# Allegro board 038RT-9068CJK8E-A100_0921.brd (continued)
## Library data of the parts (continued)
R56 R139-R142 R149 R150 R155 R156 R438-R441 R470 R473-R475 UNK1R56 UNK1R139-UNK1R142 UNK1R149 UNK1R150 UNK1R155 UNK1R156 UNK1R438-UNK1R441 UNK1R470 UNK1R473-UNK1R475 UNK2R56 UNK2R139-UNK2R142 UNK2R149 UNK2R150 UNK2R155 UNK2R156 UNK2R438-UNK2R441 UNK2R470 UNK2R473-UNK2R475 UNK3R56 UNK3R139-UNK3R142 UNK3R149 UNK3R150 UNK3R155 UNK3R156 UNK3R438-UNK3R441 UNK3R470 UNK3R473-UNK3R475 = 1K-1-S4: User Part Number: PNXXXXXXXXXX; Tolerance: TOL
R69 R110 UNK1R69 UNK1R110 UNK2R69 UNK2R110 UNK3R69 UNK3R110 = 24K-1-S4: User Part Number: PNXXXXXXXXXX; Tolerance: TOL
R105 R137 R347 R348 R434 R548 R553 R555-R562 R567 R578-R584 RBB8 RG21 RG22 RH112 RH118 RH119 RH123 RH129 RH130 RH132 RH151 RH161 RH172 RH181 RH191 RH212 RH218 RH219 RH223 RH229 RH230 RH232 RH251 RH261 RH272 RH281 RH291 RH1101 RH1102 RH1241 RH1262 RH1272 RH1282 RH2101 RH2102 RH2241 RH2262 RH2272 RH2282 RS5 RS11 UNK1R105 UNK1R137 UNK1R347 UNK1R348 UNK1R434 UNK1R548 UNK1R553 UNK1R555-UNK1R562 UNK1R567 UNK1R578-UNK1R584 UNK1RG21 UNK1RG22 UNK1RH112 UNK1RH118 UNK1RH119 UNK1RH123 UNK1RH129 UNK1RH130 UNK1RH132 UNK1RH151 UNK1RH161 UNK1RH172 UNK1RH181 UNK1RH191 UNK1RH212 UNK1RH218 UNK1RH219 UNK1RH223 UNK1RH229 UNK1RH230 UNK1RH232 UNK1RH251 UNK1RH261 UNK1RH272 UNK1RH281 UNK1RH291 UNK1RH1101 UNK1RH1102 UNK1RH1241 UNK1RH1262 UNK1RH1272 UNK1RH1282 UNK1RH2101 UNK1RH2102 UNK1RH2241 UNK1RH2262 UNK1RH2272 UNK1RH2282 UNK1RS5 UNK1RS11 UNK2R105 UNK2R137 UNK2R347 UNK2R348 UNK2R434 UNK2R548 UNK2R553 UNK2R555-UNK2R562 UNK2R567 UNK2R578-UNK2R584 UNK2RG21 UNK2RG22 UNK2RH112 UNK2RH118 UNK2RH119 UNK2RH123 UNK2RH129 UNK2RH130 UNK2RH132 UNK2RH151 UNK2RH161 UNK2RH172 UNK2RH181 UNK2RH191 UNK2RH212 UNK2RH218 UNK2RH219 UNK2RH223 UNK2RH229 UNK2RH230 UNK2RH232 UNK2RH251 UNK2RH261 UNK2RH272 UNK2RH281 UNK2RH291 UNK2RH1101 UNK2RH1102 UNK2RH1241 UNK2RH1262 UNK2RH1272 UNK2RH1282 UNK2RH2101 UNK2RH2102 UNK2RH2241 UNK2RH2262 UNK2RH2272 UNK2RH2282 UNK2RS5 UNK2RS11 UNK3R105 UNK3R137 UNK3R347 UNK3R348 UNK3R434 UNK3R548 UNK3R553 UNK3R555-UNK3R562 UNK3R567 UNK3R578-UNK3R584 UNK3RG21 UNK3RG22 UNK3RH112 UNK3RH118 UNK3RH119 UNK3RH123 UNK3RH129 UNK3RH130 UNK3RH132 UNK3RH151 UNK3RH161 UNK3RH172 UNK3RH181 UNK3RH191 UNK3RH212 UNK3RH218 UNK3RH219 UNK3RH223 UNK3RH229 UNK3RH230 UNK3RH232 UNK3RH251 UNK3RH261 UNK3RH272 UNK3RH281 UNK3RH291 UNK3RH1101 UNK3RH1102 UNK3RH1241 UNK3RH1262 UNK3RH1272 UNK3RH1282 UNK3RH2101 UNK3RH2102 UNK3RH2241 UNK3RH2262 UNK3RH2272 UNK3RH2282 UNK3RS5 UNK3RS11 = 0-5-S4: User Part Number: PNXXXXXXXXXX; Tolerance: TOL
R126 R130 RS1 UNK1R126 UNK1R130 UNK2R126 UNK2R130 UNK3R126 UNK3R130 = 100-1-S4: User Part Number: PNXXXXXXXXXX; Tolerance: TOL
R133-R136 UNK1R133-UNK1R136 UNK2R133-UNK2R136 UNK3R133-UNK3R136 = 75-1-S4: User Part Number: PNXXXXXXXXXX; Tolerance: TOL
R138 RL15 RL38 UNK1R138 UNK1RL15 UNK1RL38 UNK2R138 UNK2RL15 UNK2RL38 UNK3R138 UNK3RL15 UNK3RL38 = 3.9K-1-S4: User Part Number: PNXXXXXXXXXX; Tolerance: TOL
R275 R456 R500 R519 R538 UNK1R275 UNK1R456 UNK1R500 UNK1R519 UNK1R538 UNK2R275 UNK2R456 UNK2R500 UNK2R519 UNK2R538 UNK3R275 UNK3R456 UNK3R500 UNK3R519 UNK3R538 = 100K-1-S6: User Part Number: PNXXXXXXXXXX; Tolerance: TOL
R276 UNK1R276 UNK2R276 UNK3R276 = 1M-1-S6: User Part Number: PNXXXXXXXXXX; Tolerance: TOL
R309 UNK1R309 UNK2R309 UNK3R309 = 10K-1-S25-ST: Tolerance: TOL; User Part Number: PNXXXXXXXXXX
R327 R328 R350 R351 UNK1R327 UNK1R328 UNK1R350 UNK1R351 UNK2R327 UNK2R328 UNK2R350 UNK2R351 UNK3R327 UNK3R328 UNK3R350 UNK3R351 = 1.5K-1-S4: User Part Number: PNXXXXXXXXXX; Tolerance: TOL
R360 UNK1R360 UNK2R360 UNK3R360 = 898-1-S6-KOA: User Part Number: PNXXXXXXXXXX; Tolerance: TOL
R361 UNK1R361 UNK2R361 UNK3R361 = 100-1-S6: User Part Number: PNXXXXXXXXXX; Tolerance: TOL
R362 RD73-RD90 RD92 RD95-RD101 RD178-RD181 RG73-RG78 RR400-RR413 RR500-RR505 RR510-RR515 RR520-RR525 RR530-RR535 RR900-RR905 RR910-RR915 RR920-RR925 RR930-RR935 UNK1R362 UNK1RD73-UNK1RD90 UNK1RD92 UNK1RD95-UNK1RD101 UNK1RD178-UNK1RD181 UNK1RG73-UNK1RG78 UNK1RR400-UNK1RR413 UNK1RR500-UNK1RR505 UNK1RR510-UNK1RR515 UNK1RR520-UNK1RR525 UNK1RR530-UNK1RR535 UNK1RR900-UNK1RR905 UNK1RR910-UNK1RR915 UNK1RR920-UNK1RR925 UNK1RR930-UNK1RR935 UNK2R362 UNK2RD73-UNK2RD90 UNK2RD92 UNK2RD95-UNK2RD101 UNK2RD178-UNK2RD181 UNK2RG73-UNK2RG78 UNK2RR400-UNK2RR413 UNK2RR500-UNK2RR505 UNK2RR510-UNK2RR515 UNK2RR520-UNK2RR525 UNK2RR530-UNK2RR535 UNK2RR900-UNK2RR905 UNK2RR910-UNK2RR915 UNK2RR920-UNK2RR925 UNK2RR930-UNK2RR935 UNK3R362 UNK3RD73-UNK3RD90 UNK3RD92 UNK3RD95-UNK3RD101 UNK3RD178-UNK3RD181 UNK3RG73-UNK3RG78 UNK3RR400-UNK3RR413 UNK3RR500-UNK3RR505 UNK3RR510-UNK3RR515 UNK3RR520-UNK3RR525 UNK3RR530-UNK3RR535 UNK3RR900-UNK3RR905 UNK3RR910-UNK3RR915 UNK3RR920-UNK3RR925 UNK3RR930-UNK3RR935 = 0-5-S6: User Part Number: PNXXXXXXXXXX; Tolerance: TOL
R454 R455 R498 R499 R517 R518 R536 R537 UNK1R454 UNK1R455 UNK1R498 UNK1R499 UNK1R517 UNK1R518 UNK1R536 UNK1R537 UNK2R454 UNK2R455 UNK2R498 UNK2R499 UNK2R517 UNK2R518 UNK2R536 UNK2R537 UNK3R454 UNK3R455 UNK3R498 UNK3R499 UNK3R517 UNK3R518 UNK3R536 UNK3R537 = 1K-1-S8: User Part Number: PNXXXXXXXXXX; Tolerance: TOL
R540-R543 UNK1R540-UNK1R543 UNK2R540-UNK2R543 UNK3R540-UNK3R543 = 120-1-S4: User Part Number: PNXXXXXXXXXX; Tolerance: TOL
R586 RHPC1 UNK1R586 UNK1RHPC1 UNK2R586 UNK2RHPC1 UNK3R586 UNK3RHPC1 = 0-5-S2512-BO: Tolerance: TOL; User Part Number: PNXXXXXXXXXX
R587-R592 = 600-1-S8-VI: User Part Number: PNXXXXXXXXXX; Tolerance: TOL
RB7 UNK1RB7 UNK2RB7 UNK3RB7 = 54.9K-1-S4: User Part Number: PNXXXXXXXXXX; Tolerance: TOL
RC1 = 576-1-S4-VI: User Part Number: PNXXXXXXXXXX; Tolerance: TOL
RFB1 = 487-1-S4: User Part Number: PNXXXXXXXXXX; Tolerance: TOL
RFB2 = 22K-1-SA-YA: User Part Number: PNXXXXXXXXXX; Tolerance: TOL
RH13 RH23 RH171 RH271 UNK1RH13 UNK1RH23 UNK1RH171 UNK1RH271 UNK2RH13 UNK2RH23 UNK2RH171 UNK2RH271 UNK3RH13 UNK3RH23 UNK3RH171 UNK3RH271 = 4.7K-1-S6: User Part Number: PNXXXXXXXXXX; Tolerance: TOL
RH113 RH114 RH213 RH214 RH1103 RH1261 RH1271 RH1281 RH2103 RH2261 RH2271 RH2281 UNK1RH113 UNK1RH114 UNK1RH213 UNK1RH214 UNK1RH1103 UNK1RH1261 UNK1RH1271 UNK1RH1281 UNK1RH2103 UNK1RH2261 UNK1RH2271 UNK1RH2281 UNK2RH113 UNK2RH114 UNK2RH213 UNK2RH214 UNK2RH1103 UNK2RH1261 UNK2RH1271 UNK2RH1281 UNK2RH2103 UNK2RH2261 UNK2RH2271 UNK2RH2281 UNK3RH113 UNK3RH114 UNK3RH213 UNK3RH214 UNK3RH1103 UNK3RH1261 UNK3RH1271 UNK3RH1281 UNK3RH2103 UNK3RH2261 UNK3RH2271 UNK3RH2281 = 10K-1-S6: User Part Number: PNXXXXXXXXXX; Tolerance: TOL
RH121 RH122 RH221 RH222 RH1242 RH2242 RU7 RU11-RU13 RU25 RU27 RU29 RU30 UNK1RH121 UNK1RH122 UNK1RH221 UNK1RH222 UNK1RH1242 UNK1RH2242 UNK1RU11 UNK1RU12 UNK2RH121 UNK2RH122 UNK2RH221 UNK2RH222 UNK2RH1242 UNK2RH2242 UNK2RU11 UNK2RU12 UNK3RH121 UNK3RH122 UNK3RH221 UNK3RH222 UNK3RH1242 UNK3RH2242 UNK3RU11 UNK3RU12 = 4.7K-1-S4: User Part Number: PNXXXXXXXXXX; Tolerance: TOL
RH1511 RH2511 UNK1RH1511 UNK1RH2511 UNK2RH1511 UNK2RH2511 UNK3RH1511 UNK3RH2511 = 12K-1-S4: User Part Number: PNXXXXXXXXXX; Tolerance: TOL
RL10 RL19 RL37 RL41 RL43 RL45 = 10K-0.01-S4-VI: User Part Number: PNXXXXXXXXXX; Tolerance: TOL
RRB1-RRB16 = 0-1-S8-YA: User Part Number: PNXXXXXXXXXX; Tolerance: TOL
RS2 = 3.57K-1-S8-PAN: User Part Number: PNXXXXXXXXXX; Tolerance: TOL
RSNS1 = 0.03-1-SA-ST: User Part Number: PNXXXXXXXXXX; Tolerance: TOL
RT1 = 56.2K-1-S2-YA: User Part Number: PNXXXXXXXXXX; Tolerance: TOL
RTL9068ABD-V2-GR1 UNK980RT-9068CJ-K9X- = REF-CODE-CHIP
RUV1 = 1.54K-1-S4-VI: User Part Number: PNXXXXXXXXXX; Tolerance: TOL
RUV2 = 10K-1-S2-WA: User Part Number: PNXXXXXXXXXX; Tolerance: TOL
S0_DPS_AVDD09 S0_DPS_AVDD33 S0_DPS_DVDD09 S0_DPS_DVDD33 S0_DPS_GPIO_P015 S0_DPS_LDOIN S0_PH_VBAT S1_DPS_AVDD09 S1_DPS_AVDD33 S1_DPS_DVDD09 S1_DPS_DVDD33 S1_DPS_GPIO_P015 S1_DPS_LDOIN S1_PH_VBAT S2_DPS_AVDD09 S2_DPS_AVDD33 S2_DPS_DVDD09 S2_DPS_DVDD33 S2_DPS_GPIO_P015 S2_DPS_LDOIN S2_PH_VBAT S3_DPS_AVDD09 S3_DPS_AVDD33 S3_DPS_DVDD09 S3_DPS_DVDD33 S3_DPS_GPIO_P015 S3_DPS_LDOIN S3_PH_VBAT SG0_SWR1_FB SG1_SWR1_FB SG2_SWR1_FB SG3_SWR1_FB SH0_VDD5_ATX SH1_VDD5_ATX SH2_VDD5_ATX SH3_VDD5_ATX = HDR-2X1-M: Tolerance: TOL; User Part Number: PNXXXXXXXXXX
SG0_GPIOA1_2 SG1_GPIOA1_2 SG2_GPIOA1_2 SG3_GPIOA1_2 = HDR-4X1-MR-A: Tolerance: TOL; User Part Number: PNXXXXXXXXXX
SKB1 = J750SKBASE_4-8D_HT1028C_400X210: Tolerance: TOL; User Part Number: PNXXXXXXXXXX
SLOT0-DOWN SLOT0-UP SLOT1-DOWN SLOT1-UP SLOT2-DOWN SLOT2-UP SLOT3-DOWN SLOT3-UP = LPC128_27X6X2_SLOT00: User Part Number: PNXXXXXXXXXX; Tolerance: TOL
SLOT4-DOWN SLOT4-UP SLOT5-DOWN SLOT5-UP SLOT6-DOWN SLOT6-UP SLOT7-DOWN SLOT7-UP SLOT16 SLOT17 SLOT19 SLOT20 = Digital_Board: User Part Number: PNXXXXXXXXXX; Tolerance: TOL
SLOT18 = SYS_Board: User Part Number: PNXXXXXXXXXX; Tolerance: TOL
SLOT21-SLOT24 = DPS_Board: User Part Number: PNXXXXXXXXXX; Tolerance: TOL
SPIH11 SPIH21 UNK1SPIH11 UNK1SPIH21 UNK2SPIH11 UNK2SPIH21 UNK3SPIH11 UNK3SPIH21 = MX25L3233FM2I-08G-SO8: User Part Number: PNXXXXXXXXXX; Tolerance: TOL
SWR1 UNK1SWR1 UNK2SWR1 UNK3SWR1 = SY8003EDFC-3A-A-DFN2X2-8: User Part Number: PNXXXXXXXXXX; Tolerance: TOL
T2 T3 T7 T8 T15 T17 T20 T21 UNK1T2 UNK1T3 UNK1T7 UNK1T8 UNK1T15 UNK1T17 UNK1T20 UNK1T21 UNK2T2 UNK2T3 UNK2T7 UNK2T8 UNK2T15 UNK2T17 UNK2T20 UNK2T21 UNK3T2 UNK3T3 UNK3T7 UNK3T8 UNK3T15 UNK3T17 UNK3T20 UNK3T21 = ACT1210L-201-2P-TL00: User Part Number: PNXXXXXXXXXX; Tolerance: TOL
T12 T13 UNK1T12 UNK1T13 UNK2T12 UNK2T13 UNK3T12 UNK3T13 = 7490100161A: User Part Number: PNXXXXXXXXXX; Tolerance: TOL
T18 T23-T25 UNK1T18 UNK1T23-UNK1T25 UNK2T18 UNK2T23-UNK2T25 UNK3T18 UNK3T23-UNK3T25 = ACT1210G-800-2P-TL05_COLAY: User Part Number: PNXXXXXXXXXX; Tolerance: TOL
TP_VN15 TP_VP5A TP_VP5B TP_VP12 TP_VP15 TP_VP24 = TP03-D: Tolerance: TOL; User Part Number: PNXXXXXXXXXX
TPL1-TPL24 = TPL01: Tolerance: TOL; User Part Number: PNXXXXXXXXXX
U6 U17 U18 UNK1U6 UNK1U17 UNK1U18 UNK2U6 UNK2U17 UNK2U18 UNK3U6 UNK3U17 UNK3U18 = PI2LVD512AE-TSSOP64: Tolerance: TOL; User Part Number: PNXXXXXXXXXX
UB1 = 25LC256-SOIC8: User Part Number: PNXXXXXXXXXX; Tolerance: TOL
UNK1Y6 UNK1Y7 UNK1YH11 UNK1YH21 UNK2Y6 UNK2Y7 UNK2YH11 UNK2YH21 UNK3Y6 UNK3Y7 UNK3YH11 UNK3YH21 Y6 Y7 YH11 YH21 = CU/XTAL25M-S2520-AKER-20P: User Part Number: PNXXXXXXXXXX; Tolerance: TOL

## Footprints (pads in the part's own frame, mm; a bottom-side part is the same pattern mirrored in y, then rotated)
C0402
  custom 0.15x0.15 smd: 1(-0.5,0) 2(0.5,0)
C0402_UNBGA_V2
  rect 0.508x0.508 smd: 1(-0.425,0) 2(0.425,0)
C0603
  rect 0.889x0.889 smd: 1(-0.85,0) 2(0.85,0)
C0805
  rect 1.118x1.372 smd: 1(-0.95,0) 2(0.95,0)
C0805_H1P45MM
  rect 1.118x1.372 smd: 1(-0.95,0) 2(0.95,0)
C1206
  rect 1.321x1.829 smd: 1(-1.25,0) 2(1.25,0)
C1206_H49
  rect 1.321x1.829 smd: 1(-1.25,0) 2(1.25,0)
C1210
  rect 1.27x2.794 smd: 1(-1.524,0) 2(1.524,0)
CHIP_CODE
  round 0.051 smd: 1(0,0)
CKRM55TR72A106MH01
  rect 2.54x5.334 smd: 1(-3,0) 2(3,0)
CKRM55WR7YA476MH01
  rect 2.54x5.334 smd: 1(-3,0) 2(3,0)
CODE_C
  rect 2.286x2.54 smd: 1(-2.54,0) 2(2.54,0)
CONN_19635391_18P_90
  round 0.508 hole 3.2 unplated: (-15.24,0) (15.24,0)
  rect 1.524x1.524 hole 1.016: 1(10.16,2.54)
  round 1.524 hole 1.016: 2(7.62,2.54) 3(5.08,2.54) 4(2.54,2.54) 5(0,2.54) 6(-2.54,2.54) 7(-5.08,2.54) 8(-7.62,2.54) 9(-10.16,2.54) 10(10.16,0) 11(7.62,0) 12(5.08,0) 13(2.54,0) 14(0,0) 15(-2.54,0) 16(-5.08,0) 17(-7.62,0) 18(-10.16,0)
CONN_ATX12X2_4P2MM_MOLEX
  round 0.508 hole 3.2 unplated: (-27.6,-6.95) (27.6,-6.95)
  rect 3.683x3.683 hole 1.803: 1(23.1,-2.75)
  round 3.683 hole 1.803: 2(18.9,-2.75) 3(14.7,-2.75) 4(10.5,-2.75) 5(6.3,-2.75) 6(2.1,-2.75) 7(-2.1,-2.75) 8(-6.3,-2.75) 9(-10.5,-2.75) 10(-14.7,-2.75) 11(-18.9,-2.75) 12(-23.1,-2.75) 13(23.1,2.75) 14(18.9,2.75) 15(14.7,2.75) 16(10.5,2.75) 17(6.3,2.75) 18(2.1,2.75) 19(-2.1,2.75) 20(-6.3,2.75) 21(-10.5,2.75) 22(-14.7,2.75) 23(-18.9,2.75) 24(-23.1,2.75)
CONN_RJ45_1X1D90_8P_90754D
  round 0.5 hole 3.251 unplated: (-5.715,0) (5.715,0)
  rect 1.524x1.524 hole 1.041: 1(-4.445,6.35)
  round 1.524 hole 1.041: 2(-3.175,8.89) 3(-1.905,6.35) 4(-0.635,8.89) 5(0.635,6.35) 6(1.905,8.89) 7(3.175,6.35) 8(4.445,8.89)
  round 2.159 hole 1.702: FG1(-7.745,-4.57) FG2(7.745,-4.57)
CONN_SPECIFIC_8P_TE_V2
  round 0.508 hole 2.261 unplated: (0,-7) (6.6,-7)
  round 1.524 hole 1.041: 1(0.9,7) 2(-0.9,7) G1(-3.9,7) G2(3.9,7) G3(-3.9,0) G4(3.9,0) G5(-3.9,-7) G6(3.9,-7)
DEFAULT_SHORT_SMALL
  custom 0.07x0.07 smd: 1(-0.5,0) 2(0.5,0)
DFN2X2_8P_1P9X0P5MM_EP
  rect 0.3x0.5 smd: 1(-0.75,-0.95) 2(-0.25,-0.95) 3(0.25,-0.95) 4(0.75,-0.95) 5(0.75,0.95) 6(0.25,0.95) 7(-0.25,0.95) 8(-0.75,0.95)
  rect 1.7x0.9 smd: EP(0,0)
EC_6P3X7P7MM_S
  rect 1.016x3.556 smd: 1(0,2.78) 2(0,-2.78)
ECS_5P3X6MM_H5P9
  rect 1.016x3.556 smd: 1(0,2.48) 2(0,-2.48)
ECS_8P3X9MM_H11P9
  rect 1.651x4.064 smd: 1(0,3.632) 2(0,-3.632)
ECS_10P3X10P3MM
  rect 1.27x3.81 smd: 1(0,4.205) 2(0,-4.205)
ECS_19P1X19P1MM
  rect 2.032x9.042 smd: 1(0,7.7) 2(0,-7.7)
FB0805
  rect 1.118x1.372 smd: 1(-0.965,0) 2(0.965,0)
FD_040_V2
  round 1.016 smd: 1(0,0)
FILTER_4P_9075AA
  rect 1.95x0.85 smd: 1(-1.975,0.625) 2(-1.975,-0.625) 3(1.975,-0.625) 4(1.975,0.625)
FILTER_BNXO25H01L_6P
  rect 1.524x1.626 smd: 1(-5.85,2.1) 2(5.85,2.1) 3(-5.85,-2.1) 4(5.85,-2.1)
  rect 4.978x0.61 smd: 5(2,4.55)
  rect 7.01x0.61 smd: 6(1,-4.55)
FRU_14X3_5P1MM
  rect 1.524x1.524 hole 1.016: 1(-2.55,0)
  round 1.524 hole 1.016: 2(2.55,0)
IND_6P6X6P4XH5MM
  rect 2.5x7 smd: 1(2.5,0) 2(-2.5,0)
IND_12X12_MM
  rect 3.556x5.588 smd: 1(-5.278,0) 2(5.278,0)
IND_VL252012E
  rect 0.864x2.032 smd: 1(-0.825,0) 2(0.825,0)
JP_2P_100
  rect 1.524x1.524 hole 1.016: 1(0,0)
  round 1.524 hole 1.016: 2(0,2.54)
JP_2P_100_R90
  rect 1.524x1.524 hole 1.016: 1(0,0)
  round 1.524 hole 1.016: 2(0,2.54)
JP_3P_100_R90
  rect 1.524x1.524 hole 1.016: 1(0,0)
  round 1.524 hole 1.016: 2(0,2.54) 3(0,5.08)
JP_4P_100_R90_V1
  rect 1.524x1.524 hole 1.016: 1(0,0)
  round 1.524 hole 1.016: 2(0,2.54) 3(0,5.08) 4(0,7.62)
LED_0805
  rect 1.118x1.372 smd: 1(0.95,0) 2(-0.95,0)
LOGO_KT_KSMT
  round 0.051 smd: 1(-0.711,-0.711)
LOGO_RT_REALTEK
  round 0.051 smd: 1(-0.711,-0.711)
M3_NPTH169
  round 0.508 hole 4.293 unplated: (0,0)
PG_3680_DPS32_SLOT21
  round 0.864 hole 0.356: A1(-26.969,96.321) A2(-26.969,98.321) A3(-26.969,100.321) A4(-26.969,102.321) A5(-26.969,104.321) A6(-26.969,106.321) A7(-26.969,108.321) A8(-26.969,110.321) A9(-26.969,112.321) A10(-26.969,114.321) A11(-26.969,116.321) A12(-26.969,118.321) A13(-26.969,120.321) A14(-26.969,122.321) A15(-26.969,124.321) A16(-26.969,126.321) A17(-26.969,128.321) A18(-26.969,130.321) A19(-26.969,132.321) A20(-26.969,134.321) A21(-26.969,136.321) A22(-26.969,138.321) A23(-26.969,140.321) A24(-26.969,142.321) B1(-28.969,96.321) B3(-28.969,100.321) B4(-28.969,102.321) B6(-28.969,106.321) B7(-28.969,108.321) B9(-28.969,112.321) B10(-28.969,114.321) B12(-28.969,118.321) B13(-28.969,120.321) B15(-28.969,124.321) B16(-28.969,126.321) B18(-28.969,130.321) B19(-28.969,132.321) B21(-28.969,136.321) B22(-28.969,138.321) B24(-28.969,142.321) C1(-30.969,96.321) C2(-30.969,98.321) C3(-30.969,100.321) C4(-30.969,102.321) C5(-30.969,104.321) C6(-30.969,106.321) C7(-30.969,108.321) C8(-30.969,110.321) C9(-30.969,112.321) C10(-30.969,114.321) C11(-30.969,116.321) C12(-30.969,118.321) C13(-30.969,120.321) C14(-30.969,122.321) C15(-30.969,124.321) C16(-30.969,126.321) C17(-30.969,128.321) C18(-30.969,130.321) C19(-30.969,132.321) C20(-30.969,134.321) C21(-30.969,136.321) C22(-30.969,138.321) C23(-30.969,140.321) C24(-30.969,142.321) D1(-32.969,96.321) D3(-32.969,100.321) D4(-32.969,102.321) D6(-32.969,106.321) D7(-32.969,108.321) D9(-32.969,112.321) D10(-32.969,114.321) D12(-32.969,118.321) D13(-32.969,120.321) D15(-32.969,124.321) D16(-32.969,126.321) D18(-32.969,130.321) D19(-32.969,132.321) D21(-32.969,136.321) D22(-32.969,138.321) D24(-32.969,142.321) E1(-34.969,96.321) E2(-34.969,98.321) E4(-34.969,102.321) E5(-34.969,104.321) E7(-34.969,108.321) E8(-34.969,110.321) E10(-34.969,114.321) E11(-34.969,116.321) E13(-34.969,120.321) E14(-34.969,122.321) E16(-34.969,126.321) E17(-34.969,128.321) E19(-34.969,132.321) E20(-34.969,134.321) E22(-34.969,138.321) E23(-34.969,140.321) F1(-36.969,96.321) F2(-36.969,98.321) F3(-36.969,100.321) F4(-36.969,102.321) F5(-36.969,104.321) F6(-36.969,106.321) F8(-36.969,110.321) F9(-36.969,112.321) F11(-36.969,116.321) F12(-36.969,118.321) F14(-36.969,122.321) F15(-36.969,124.321) F17(-36.969,128.321) F18(-36.969,130.321) F20(-36.969,134.321) F21(-36.969,136.321) F23(-36.969,140.321) F24(-36.969,142.321)
  custom 0.305x0.305 hole 0.356 rot 135: B2(-28.969,98.321) B5(-28.969,104.321) B8(-28.969,110.321) B11(-28.969,116.321) B14(-28.969,122.321) B17(-28.969,128.321) B20(-28.969,134.321) B23(-28.969,140.321) D2(-32.969,98.321) D5(-32.969,104.321) D8(-32.969,110.321) D11(-32.969,116.321) D14(-32.969,122.321) D17(-32.969,128.321) D20(-32.969,134.321) D23(-32.969,140.321) E3(-34.969,100.321) E6(-34.969,106.321) E9(-34.969,112.321) E12(-34.969,118.321) E15(-34.969,124.321) E18(-34.969,130.321) E21(-34.969,136.321) E24(-34.969,142.321) F7(-36.969,108.321) F10(-36.969,114.321) F13(-36.969,120.321) F16(-36.969,126.321) F19(-36.969,132.321) F22(-36.969,138.321)
PG_3680_DPS32_SLOT22
  round 0.864 hole 0.356: A1(-1.569,96.321) A2(-1.569,98.321) A3(-1.569,100.321) A4(-1.569,102.321) A5(-1.569,104.321) A6(-1.569,106.321) A7(-1.569,108.321) A8(-1.569,110.321) A9(-1.569,112.321) A10(-1.569,114.321) A11(-1.569,116.321) A12(-1.569,118.321) A13(-1.569,120.321) A14(-1.569,122.321) A15(-1.569,124.321) A16(-1.569,126.321) A17(-1.569,128.321) A18(-1.569,130.321) A19(-1.569,132.321) A20(-1.569,134.321) A21(-1.569,136.321) A22(-1.569,138.321) A23(-1.569,140.321) A24(-1.569,142.321) B1(-3.569,96.321) B3(-3.569,100.321) B4(-3.569,102.321) B6(-3.569,106.321) B7(-3.569,108.321) B9(-3.569,112.321) B10(-3.569,114.321) B12(-3.569,118.321) B13(-3.569,120.321) B15(-3.569,124.321) B16(-3.569,126.321) B18(-3.569,130.321) B19(-3.569,132.321) B21(-3.569,136.321) B22(-3.569,138.321) B24(-3.569,142.321) C1(-5.569,96.321) C2(-5.569,98.321) C3(-5.569,100.321) C4(-5.569,102.321) C5(-5.569,104.321) C6(-5.569,106.321) C7(-5.569,108.321) C8(-5.569,110.321) C9(-5.569,112.321) C10(-5.569,114.321) C11(-5.569,116.321) C12(-5.569,118.321) C13(-5.569,120.321) C14(-5.569,122.321) C15(-5.569,124.321) C16(-5.569,126.321) C17(-5.569,128.321) C18(-5.569,130.321) C19(-5.569,132.321) C20(-5.569,134.321) C21(-5.569,136.321) C22(-5.569,138.321) C23(-5.569,140.321) C24(-5.569,142.321) D1(-7.569,96.321) D3(-7.569,100.321) D4(-7.569,102.321) D6(-7.569,106.321) D7(-7.569,108.321) D9(-7.569,112.321) D10(-7.569,114.321) D12(-7.569,118.321) D13(-7.569,120.321) D15(-7.569,124.321) D16(-7.569,126.321) D18(-7.569,130.321) D19(-7.569,132.321) D21(-7.569,136.321) D22(-7.569,138.321) D24(-7.569,142.321) E1(-9.569,96.321) E2(-9.569,98.321) E4(-9.569,102.321) E5(-9.569,104.321) E7(-9.569,108.321) E8(-9.569,110.321) E10(-9.569,114.321) E11(-9.569,116.321) E13(-9.569,120.321) E14(-9.569,122.321) E16(-9.569,126.321) E17(-9.569,128.321) E19(-9.569,132.321) E20(-9.569,134.321) E22(-9.569,138.321) E23(-9.569,140.321) F1(-11.569,96.321) F2(-11.569,98.321) F3(-11.569,100.321) F4(-11.569,102.321) F5(-11.569,104.321) F6(-11.569,106.321) F8(-11.569,110.321) F9(-11.569,112.321) F11(-11.569,116.321) F12(-11.569,118.321) F14(-11.569,122.321) F15(-11.569,124.321) F17(-11.569,128.321) F18(-11.569,130.321) F20(-11.569,134.321) F21(-11.569,136.321) F23(-11.569,140.321) F24(-11.569,142.321)
  custom 0.305x0.305 hole 0.356 rot 135: B2(-3.569,98.321) B5(-3.569,104.321) B8(-3.569,110.321) B11(-3.569,116.321) B14(-3.569,122.321) B17(-3.569,128.321) B20(-3.569,134.321) B23(-3.569,140.321) D2(-7.569,98.321) D5(-7.569,104.321) D8(-7.569,110.321) D11(-7.569,116.321) D14(-7.569,122.321) D17(-7.569,128.321) D20(-7.569,134.321) D23(-7.569,140.321) E3(-9.569,100.321) E6(-9.569,106.321) E9(-9.569,112.321) E12(-9.569,118.321) E15(-9.569,124.321) E18(-9.569,130.321) E21(-9.569,136.321) E24(-9.569,142.321) F7(-11.569,108.321) F10(-11.569,114.321) F13(-11.569,120.321) F16(-11.569,126.321) F19(-11.569,132.321) F22(-11.569,138.321)
PG_3680_DPS32_SLOT23
  round 0.864 hole 0.356: A1(23.831,96.321) A2(23.831,98.321) A3(23.831,100.321) A4(23.831,102.321) A5(23.831,104.321) A6(23.831,106.321) A7(23.831,108.321) A8(23.831,110.321) A9(23.831,112.321) A10(23.831,114.321) A11(23.831,116.321) A12(23.831,118.321) A13(23.831,120.321) A14(23.831,122.321) A15(23.831,124.321) A16(23.831,126.321) A17(23.831,128.321) A18(23.831,130.321) A19(23.831,132.321) A20(23.831,134.321) A21(23.831,136.321) A22(23.831,138.321) A23(23.831,140.321) A24(23.831,142.321) B1(21.831,96.321) B3(21.831,100.321) B4(21.831,102.321) B6(21.831,106.321) B7(21.831,108.321) B9(21.831,112.321) B10(21.831,114.321) B12(21.831,118.321) B13(21.831,120.321) B15(21.831,124.321) B16(21.831,126.321) B18(21.831,130.321) B19(21.831,132.321) B21(21.831,136.321) B22(21.831,138.321) B24(21.831,142.321) C1(19.831,96.321) C2(19.831,98.321) C3(19.831,100.321) C4(19.831,102.321) C5(19.831,104.321) C6(19.831,106.321) C7(19.831,108.321) C8(19.831,110.321) C9(19.831,112.321) C10(19.831,114.321) C11(19.831,116.321) C12(19.831,118.321) C13(19.831,120.321) C14(19.831,122.321) C15(19.831,124.321) C16(19.831,126.321) C17(19.831,128.321) C18(19.831,130.321) C19(19.831,132.321) C20(19.831,134.321) C21(19.831,136.321) C22(19.831,138.321) C23(19.831,140.321) C24(19.831,142.321) D1(17.831,96.321) D3(17.831,100.321) D4(17.831,102.321) D6(17.831,106.321) D7(17.831,108.321) D9(17.831,112.321) D10(17.831,114.321) D12(17.831,118.321) D13(17.831,120.321) D15(17.831,124.321) D16(17.831,126.321) D18(17.831,130.321) D19(17.831,132.321) D21(17.831,136.321) D22(17.831,138.321) D24(17.831,142.321) E1(15.831,96.321) E2(15.831,98.321) E4(15.831,102.321) E5(15.831,104.321) E7(15.831,108.321) E8(15.831,110.321) E10(15.831,114.321) E11(15.831,116.321) E13(15.831,120.321) E14(15.831,122.321) E16(15.831,126.321) E17(15.831,128.321) E19(15.831,132.321) E20(15.831,134.321) E22(15.831,138.321) E23(15.831,140.321) F1(13.831,96.321) F2(13.831,98.321) F3(13.831,100.321) F4(13.831,102.321) F5(13.831,104.321) F6(13.831,106.321) F8(13.831,110.321) F9(13.831,112.321) F11(13.831,116.321) F12(13.831,118.321) F14(13.831,122.321) F15(13.831,124.321) F17(13.831,128.321) F18(13.831,130.321) F20(13.831,134.321) F21(13.831,136.321) F23(13.831,140.321) F24(13.831,142.321)
  custom 0.305x0.305 hole 0.356 rot 135: B2(21.831,98.321) B5(21.831,104.321) B8(21.831,110.321) B11(21.831,116.321) B14(21.831,122.321) B17(21.831,128.321) B20(21.831,134.321) B23(21.831,140.321) D2(17.831,98.321) D5(17.831,104.321) D8(17.831,110.321) D11(17.831,116.321) D14(17.831,122.321) D17(17.831,128.321) D20(17.831,134.321) D23(17.831,140.321) E3(15.831,100.321) E6(15.831,106.321) E9(15.831,112.321) E12(15.831,118.321) E15(15.831,124.321) E18(15.831,130.321) E21(15.831,136.321) E24(15.831,142.321) F7(13.831,108.321) F10(13.831,114.321) F13(13.831,120.321) F16(13.831,126.321) F19(13.831,132.321) F22(13.831,138.321)
PG_3680_DPS32_SLOT24
  round 0.864 hole 0.356: A1(49.231,96.321) A2(49.231,98.321) A3(49.231,100.321) A4(49.231,102.321) A5(49.231,104.321) A6(49.231,106.321) A7(49.231,108.321) A8(49.231,110.321) A9(49.231,112.321) A10(49.231,114.321) A11(49.231,116.321) A12(49.231,118.321) A13(49.231,120.321) A14(49.231,122.321) A15(49.231,124.321) A16(49.231,126.321) A17(49.231,128.321) A18(49.231,130.321) A19(49.231,132.321) A20(49.231,134.321) A21(49.231,136.321) A22(49.231,138.321) A23(49.231,140.321) A24(49.231,142.321) B1(47.231,96.321) B3(47.231,100.321) B4(47.231,102.321) B6(47.231,106.321) B7(47.231,108.321) B9(47.231,112.321) B10(47.231,114.321) B12(47.231,118.321) B13(47.231,120.321) B15(47.231,124.321) B16(47.231,126.321) B18(47.231,130.321) B19(47.231,132.321) B21(47.231,136.321) B22(47.231,138.321) B24(47.231,142.321) C1(45.231,96.321) C2(45.231,98.321) C3(45.231,100.321) C4(45.231,102.321) C5(45.231,104.321) C6(45.231,106.321) C7(45.231,108.321) C8(45.231,110.321) C9(45.231,112.321) C10(45.231,114.321) C11(45.231,116.321) C12(45.231,118.321) C13(45.231,120.321) C14(45.231,122.321) C15(45.231,124.321) C16(45.231,126.321) C17(45.231,128.321) C18(45.231,130.321) C19(45.231,132.321) C20(45.231,134.321) C21(45.231,136.321) C22(45.231,138.321) C23(45.231,140.321) C24(45.231,142.321) D1(43.231,96.321) D3(43.231,100.321) D4(43.231,102.321) D6(43.231,106.321) D7(43.231,108.321) D9(43.231,112.321) D10(43.231,114.321) D12(43.231,118.321) D13(43.231,120.321) D15(43.231,124.321) D16(43.231,126.321) D18(43.231,130.321) D19(43.231,132.321) D21(43.231,136.321) D22(43.231,138.321) D24(43.231,142.321) E1(41.231,96.321) E2(41.231,98.321) E4(41.231,102.321) E5(41.231,104.321) E7(41.231,108.321) E8(41.231,110.321) E10(41.231,114.321) E11(41.231,116.321) E13(41.231,120.321) E14(41.231,122.321) E16(41.231,126.321) E17(41.231,128.321) E19(41.231,132.321) E20(41.231,134.321) E22(41.231,138.321) E23(41.231,140.321) F1(39.231,96.321) F2(39.231,98.321) F3(39.231,100.321) F4(39.231,102.321) F5(39.231,104.321) F6(39.231,106.321) F8(39.231,110.321) F9(39.231,112.321) F11(39.231,116.321) F12(39.231,118.321) F14(39.231,122.321) F15(39.231,124.321) F17(39.231,128.321) F18(39.231,130.321) F20(39.231,134.321) F21(39.231,136.321) F23(39.231,140.321) F24(39.231,142.321)
  custom 0.305x0.305 hole 0.356 rot 135: B2(47.231,98.321) B5(47.231,104.321) B8(47.231,110.321) B11(47.231,116.321) B14(47.231,122.321) B17(47.231,128.321) B20(47.231,134.321) B23(47.231,140.321) D2(43.231,98.321) D5(43.231,104.321) D8(43.231,110.321) D11(43.231,116.321) D14(43.231,122.321) D17(43.231,128.321) D20(43.231,134.321) D23(43.231,140.321) E3(41.231,100.321) E6(41.231,106.321) E9(41.231,112.321) E12(41.231,118.321) E15(41.231,124.321) E18(41.231,130.321) E21(41.231,136.321) E24(41.231,142.321) F7(39.231,108.321) F10(39.231,114.321) F13(39.231,120.321) F16(39.231,126.321) F19(39.231,132.321) F22(39.231,138.321)
